# KiCad board mt-choc.kicad_pcb
title: Mt. Choc; rev: v1.0; company: Author: Sonal Pinto; note: License: MIT; note: 65% Low Profile Choc Keyboard
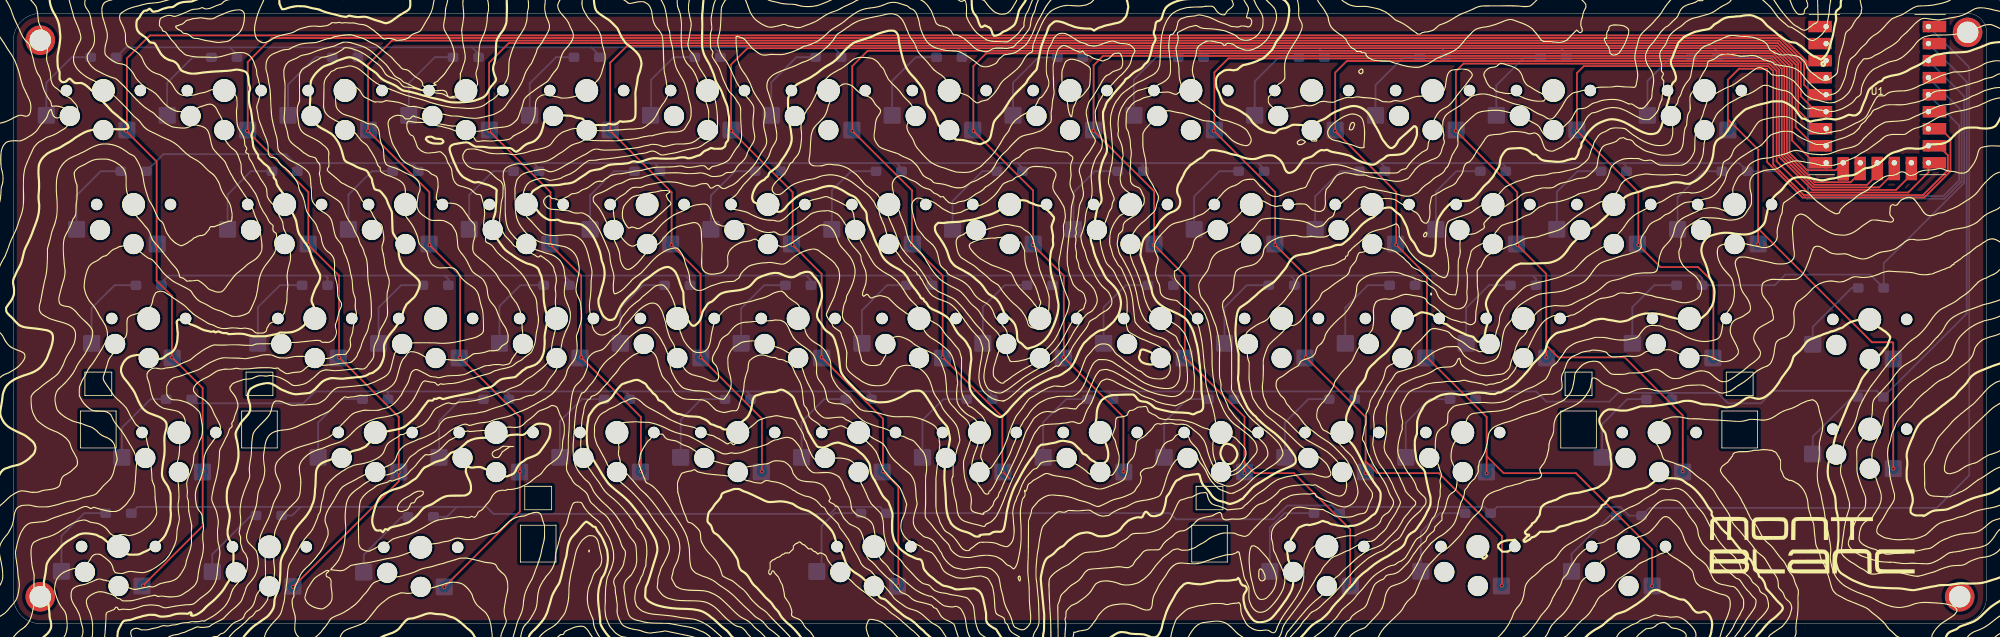
[diagram p0: board, top side]
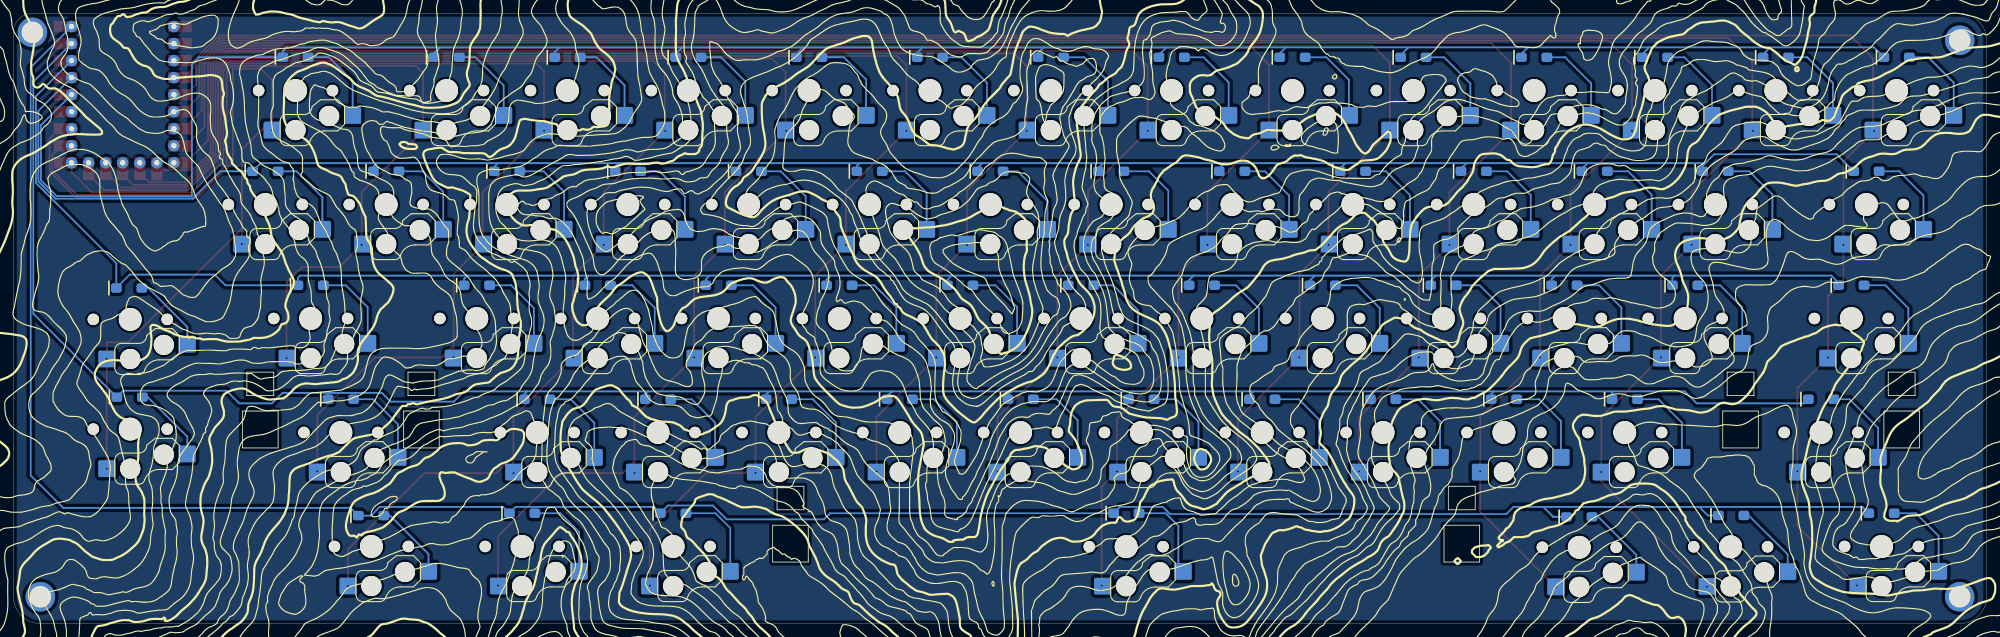
[diagram p1: board, bottom side, seen from below]

Outline 293.93 x 91 mm; copper layers: Front, Back. Coordinates in mm from the lower left corner of the outline.
Outline path: 291.1,91 4,91 arc(1.17,89.83) 0,87 0,4 arc(1.17,1.17) 4,0 289.92,0 ; 291.1,91 arc(293.1,90.17) 293.93,88.17 293.93,4 ; 293.92,4 arc(292.75,1.17) 289.92,0
Stack: Front 0.035mm / dielectric 1.51mm FR4 er 4.5 / Back 0.035mm

## Placement (name value [footprint] x y rotation side)
D1  D  [D_SOD123]  13.4 84.46 180 top
D2  D  [D_SOD123]  17.9 67.46 180 top
D3  D  [D_SOD123]  20.15 50.46 180 top
D4  D  [D_SOD123]  24.65 33.46 180 top
D5  D  [D_SOD123]  15.65 16.46 180 top
D6  D  [D_SOD123]  31.4 84.46 180 top
D7  D  [D_SOD123]  40.4 67.46 180 top
D8  D  [D_SOD123]  44.9 50.46 180 top
D9  D  [D_SOD123]  53.9 33.46 180 top
D10  D  [D_SOD123]  38.05 16.12 180 top
D11  D  [D_SOD123]  49.4 84.46 180 top
D12  D  [D_SOD123]  58.4 67.46 180 top
D13  D  [D_SOD123]  62.9 50.46 180 top
D14  D  [D_SOD123]  71.9 33.46 180 top
D15  D  [D_SOD123]  60.68 15.93 180 top
D16  D  [D_SOD123]  67.4 84.46 180 top
D17  D  [D_SOD123]  76.4 67.46 180 top
D18  D  [D_SOD123]  80.9 50.46 180 top
D19  D  [D_SOD123]  89.9 33.46 180 top
D20  D  [D_SOD123]  85.4 84.46 180 top
D21  D  [D_SOD123]  94.4 67.46 180 top
D22  D  [D_SOD123]  98.9 50.46 180 top
D23  D  [D_SOD123]  107.9 33.46 180 top
D25  D  [D_SOD123]  103.4 84.46 180 top
D26  D  [D_SOD123]  112.4 67.46 180 top
D27  D  [D_SOD123]  116.9 50.46 180 top
D28  D  [D_SOD123]  125.9 33.46 180 top
D29  D  [D_SOD123]  128.15 16.46 180 top
D31  D  [D_SOD123]  121.4 84.46 180 top
D32  D  [D_SOD123]  130.4 67.46 180 top
D33  D  [D_SOD123]  134.9 50.46 180 top
D34  D  [D_SOD123]  143.9 33.46 180 top
D35  D  [D_SOD123]  139.4 84.46 180 top
D36  D  [D_SOD123]  148.4 67.46 180 top
D37  D  [D_SOD123]  152.9 50.46 180 top
D38  D  [D_SOD123]  161.9 33.46 180 top
D39  D  [D_SOD123]  157.4 84.46 180 top
D40  D  [D_SOD123]  166.4 67.46 180 top
D41  D  [D_SOD123]  170.9 50.46 180 top
D42  D  [D_SOD123]  179.9 33.46 180 top
D43  D  [D_SOD123]  195.65 16.46 180 top
D44  D  [D_SOD123]  175.4 84.46 180 top
D45  D  [D_SOD123]  184.4 67.46 180 top
D46  D  [D_SOD123]  188.9 50.46 180 top
D47  D  [D_SOD123]  197.9 33.46 180 top
D48  D  [D_SOD123]  218.15 16.46 180 top
D49  D  [D_SOD123]  193.4 84.46 180 top
D50  D  [D_SOD123]  202.4 67.46 180 top
D51  D  [D_SOD123]  206.9 50.46 180 top
D52  D  [D_SOD123]  215.9 33.46 180 top
D53  D  [D_SOD123]  240.65 16.1 180 top
D54  D  [D_SOD123]  211.4 84.46 180 top
D55  D  [D_SOD123]  220.4 67.46 180 top
D56  D  [D_SOD123]  224.9 50.46 180 top
D57  D  [D_SOD123]  245.15 33.46 180 top
D59  D  [D_SOD123]  229.4 84.46 180 top
D60  D  [D_SOD123]  238.4 67.46 180 top
D61  D  [D_SOD123]  249.65 50.46 180 top
D64  D  [D_SOD123]  251.9 84.46 180 top
D65  D  [D_SOD123]  256.4 67.46 180 top
D66  D  [D_SOD123]  276.7 50.05 180 top
D67  D  [D_SOD123]  276.62 33.78 180 top
G***  LOGO  [mt-blanc]  148.78 56.97 0 top
G***#2  LOGO  [blanc]  267.95 9.3 0 top
G***#3  LOGO  [mt-blanc]  149.06 56.17 180 bottom
g```  LOGO  [mont]  264.87 14.2 0 top
H1  MountingHole  [m2_standoff]  4 87 0 top
H2  MountingHole  [m2_standoff]  4 4 0 top
H3  MountingHole  [m2_standoff]  289.92 4 0 top
H4  MountingHole  [m2_standoff]  291.1 88.17 0 top
SW1  SW_Push  [Choc-1u]  13.4 79.5 0 top
SW2  SW_Push  [Choc-1.5u]  17.9 62.5 0 top
SW3  SW_Push  [Choc-1.75u]  20.15 45.5 0 top
SW4  SW_Push  [Choc-2.25u]  24.65 28.5 0 top
SW5  SW_Push  [Choc-1.25u]  15.65 11.5 0 top
SW6  SW_Push  [Choc-1u]  31.4 79.5 0 top
SW7  SW_Push  [Choc-1u]  40.4 62.5 0 top
SW8  SW_Push  [Choc-1u]  44.9 45.5 0 top
SW9  SW_Push  [Choc-1u]  53.9 28.5 0 top
SW10  SW_Push  [Choc-1.25u]  38.12 11.45 0 top
SW11  SW_Push  [Choc-1u]  49.4 79.5 0 top
SW12  SW_Push  [Choc-1u]  58.4 62.5 0 top
SW13  SW_Push  [Choc-1u]  62.9 45.5 0 top
SW14  SW_Push  [Choc-1u]  71.9 28.5 0 top
SW15  SW_Push  [Choc-1.25u]  60.68 11.38 0 top
SW16  SW_Push  [Choc-1u]  67.4 79.5 0 top
SW17  SW_Push  [Choc-1u]  76.4 62.5 0 top
SW18  SW_Push  [Choc-1u]  80.9 45.5 0 top
SW19  SW_Push  [Choc-1u]  89.9 28.5 0 top
SW20  SW_Push  [Choc-1u]  85.4 79.5 0 top
SW21  SW_Push  [Choc-1u]  94.4 62.5 0 top
SW22  SW_Push  [Choc-1u]  98.9 45.5 0 top
SW23  SW_Push  [Choc-1u]  107.9 28.5 0 top
SW25  SW_Push  [Choc-1u]  103.4 79.5 0 top
SW26  SW_Push  [Choc-1u]  112.4 62.5 0 top
SW27  SW_Push  [Choc-1u]  116.9 45.5 0 top
SW28  SW_Push  [Choc-1u]  125.9 28.5 0 top
SW29  SW_Push  [Choc-1u]  121.4 79.5 0 top
SW30  SW_Push  [Choc-1u]  130.4 62.5 0 top
SW31  SW_Push  [Choc-1u]  134.9 45.5 0 top
SW32  SW_Push  [Choc-1u]  143.9 28.5 0 top
SW33  SW_Push  [Choc-1u]  139.4 79.5 0 top
SW34  SW_Push  [Choc-1u]  148.4 62.5 0 top
SW35  SW_Push  [Choc-1u]  152.9 45.5 0 top
SW36  SW_Push  [Choc-1u]  161.9 28.5 0 top
SW37  SW_Push  [Choc-1u]  157.4 79.5 0 top
SW38  SW_Push  [Choc-1u]  166.4 62.5 0 top
SW39  SW_Push  [Choc-1u]  170.9 45.5 0 top
SW40  SW_Push  [Choc-1u]  179.9 28.5 0 top
SW41  SW_Push  [Choc-1.25u]  195.65 11.5 0 top
SW42  SW_Push  [Choc-1u]  175.4 79.5 0 top
SW43  SW_Push  [Choc-1u]  184.4 62.5 0 top
SW44  SW_Push  [Choc-1u]  188.9 45.5 0 top
SW45  SW_Push  [Choc-1u]  197.9 28.5 0 top
SW46  SW_Push  [Choc-1.25u]  218.15 11.5 0 top
SW47  SW_Push  [Choc-1u]  193.4 79.5 0 top
SW48  SW_Push  [Choc-1u]  202.4 62.5 0 top
SW49  SW_Push  [Choc-1u]  206.9 45.5 0 top
SW50  SW_Push  [Choc-1u]  215.9 28.5 0 top
SW51  SW_Push  [Choc-1.25u]  240.6 11.5 0 top
SW52  SW_Push  [Choc-1u]  211.4 79.5 0 top
SW53  SW_Push  [Choc-1u]  220.4 62.5 0 top
SW54  SW_Push  [Choc-1u]  224.9 45.5 0 top
SW55  SW_Push  [Choc-2.25u]  245.15 28.5 0 top
SW57  SW_Push  [Choc-1u]  229.4 79.5 0 top
SW58  SW_Push  [Choc-1u]  238.4 62.5 0 top
SW59  SW_Push  [Choc-1.75u]  249.65 45.5 0 top
SW62  SW_Push  [Choc-1.5u]  251.9 79.5 0 top
SW63  SW_Push  [Choc-1u]  256.4 62.5 0 top
SW64  SW_Push  [Choc-1u]  276.52 45.36 0 top
SW65  SW_Push  [Choc-6.25u]  128.18 11.47 0 top
SW66  SW_Push  [Choc-1u]  276.52 29 0 top
U1  RP2040-Zero  [RP2040 Zero]  267.48 66.05 0 top

## Library data of the parts
D1-D23 D25-D29 D31-D57 D59-D61 D64-D67 = -: Sim.Pins: 1=K 2=A; ki_fp_filters: TO-???* *_Diode_* *SingleDiode* D_*
H1-H4 = -: ki_fp_filters: MountingHole*
SW65 = -: Description: Push button switch, generic, two pins; Sim.Library: ./

## Footprints (pads in the part's own frame, mm; a bottom-side part is the same pattern mirrored in y, then rotated)
Choc-1.5u
  round 1.7 hole 1.7 unplated: (-5.5,0) (5.5,0)
  round 3 hole 3 unplated: (-5,-3.8) (0,-5.9)
  round 3.4 hole 3.4 unplated: (0,0)
  rrect 2.55x2.5 smd far side: 1(-8.5,-3.7) 2(3.5,-5.9)
Choc-1.25u
  round 1.7 hole 1.7 unplated: (-5.5,0) (5.5,0)
  round 3 hole 3 unplated: (-5,-3.8) (0,-5.9)
  round 3.4 hole 3.4 unplated: (0,0)
  rrect 2.55x2.5 smd far side: 1(-8.5,-3.7) 2(3.5,-5.9)
Choc-1.75u
  round 1.7 hole 1.7 unplated: (-5.5,0) (5.5,0)
  round 3 hole 3 unplated: (-5,-3.8) (0,-5.9)
  round 3.4 hole 3.4 unplated: (0,0)
  rrect 2.55x2.5 smd far side: 1(-8.5,-3.7) 2(3.5,-5.9)
Choc-1u
  round 1.7 hole 1.7 unplated: (-5.5,0) (5.5,0)
  round 3 hole 3 unplated: (-5,-3.8) (0,-5.9)
  round 3.4 hole 3.4 unplated: (0,0)
  rrect 2.55x2.5 smd far side: 1(-8.5,-3.7) 2(3.5,-5.9)
Choc-2.25u
  round 1.7 hole 1.7 unplated: (-5.5,0) (5.5,0)
  round 3 hole 3 unplated: (-5,-3.8) (0,-5.9)
  round 3.4 hole 3.4 unplated: (0,0)
  rrect 2.55x2.5 smd far side: 1(-8.5,-3.7) 2(3.5,-5.9)
Choc-6.25u
  round 1.7 hole 1.7 unplated: (-5.5,0) (5.5,0)
  round 3 hole 3 unplated: (-5,-3.8) (0,-5.9)
  round 3.4 hole 3.4 unplated: (0,0)
  rrect 2.55x2.5 smd far side: 1(-8.5,-3.7) 2(3.5,-5.9)
D_SOD123
  rrect 1.6x1.4 smd far side: 1(-1.9,0) 2(1.9,0)
m2_standoff
  round 4.4 hole 3.2: 1(0,0)
RP2040 Zero
  rect 3.5x1.7 smd: 1(1.64,22.987) 2(1.64,20.447) 3(1.64,17.907) 4(1.64,15.367) 5(1.64,12.827) 6(1.69,10.287) 7(1.69,7.747) 8(1.69,5.207) 9(1.69,2.667) 10(18.68,22.987) 11(18.68,20.447) 12(18.68,17.907) 13(18.68,15.367) 14(18.68,12.827) 15(18.68,10.287) 16(18.68,7.747) 17(18.68,5.207) 18(18.68,2.667)
  round 1.7 hole 0.8: 1(2.54,22.987) 2(2.54,20.447) 3(2.54,17.907) 4(2.54,15.367) 5(2.54,12.827) 6(2.54,10.287) 7(2.54,7.747) 8(2.54,5.207) 9(2.54,2.667) 10(17.78,22.987) 11(17.78,20.447) 12(17.78,17.907) 13(17.78,15.367) 14(17.78,12.827) 15(17.78,10.287) 16(17.78,7.747) 17(17.78,5.207) 18(17.78,2.667) 19(5.08,2.667) 20(7.62,2.667) 21(10.16,2.667) 22(12.7,2.667) 23(15.24,2.667)
  rect 1.7x3.5 smd: 19(5.08,1.767) 20(7.62,1.817) 21(10.16,1.817) 22(12.7,1.817) 23(15.24,1.817)

## Nets
COL1: SW1.2 SW2.2 SW3.2 SW4.2 SW5.2 U1.4
COL2: SW6.2 SW7.2 SW8.2 SW9.2 SW10.2 U1.5
COL3: SW11.2 SW12.2 SW13.2 SW14.2 SW15.2 U1.6
COL4: SW16.2 SW17.2 SW18.2 SW19.2 U1.7
COL5: SW20.2 SW21.2 SW22.2 SW23.2 U1.8
COL6: SW25.2 SW26.2 SW27.2 SW28.2 SW65.2 U1.9
COL7: SW29.2 SW30.2 SW31.2 SW32.2 U1.19
COL8: SW33.2 SW34.2 SW35.2 SW36.2 U1.20
COL9: SW37.2 SW38.2 SW39.2 SW40.2 SW41.2 U1.21
COL10: SW42.2 SW43.2 SW44.2 SW45.2 SW46.2 U1.22
COL11: SW47.2 SW48.2 SW49.2 SW50.2 SW51.2 U1.23
COL12: SW52.2 SW53.2 SW54.2 SW55.2 U1.18
COL13: SW57.2 SW58.2 SW59.2 U1.17
COL14: SW62.2 SW63.2 SW64.2 SW66.2 U1.16
ROW1: D1.1 D6.1 D11.1 D16.1 D20.1 D25.1 D31.1 D35.1 D39.1 D44.1 D49.1 D54.1 D59.1 D64.1 U1.14
ROW2: D2.1 D7.1 D12.1 D17.1 D21.1 D26.1 D32.1 D36.1 D40.1 D45.1 D50.1 D55.1 D60.1 D65.1 U1.13
ROW3: D3.1 D8.1 D13.1 D18.1 D22.1 D27.1 D33.1 D37.1 D41.1 D46.1 D51.1 D56.1 D61.1 D66.1 U1.12
ROW4: D4.1 D9.1 D14.1 D19.1 D23.1 D28.1 D34.1 D38.1 D42.1 D47.1 D52.1 D57.1 D67.1 U1.11
ROW5: D5.1 D10.1 D15.1 D29.1 D43.1 D48.1 D53.1 U1.10
Net-(D1-A): D1.2 SW1.1
Net-(D2-A): D2.2 SW2.1
Net-(D3-A): D3.2 SW3.1
Net-(D4-A): D4.2 SW4.1
Net-(D5-A): D5.2 SW5.1
Net-(D6-A): D6.2 SW6.1
Net-(D7-A): D7.2 SW7.1
Net-(D8-A): D8.2 SW8.1
Net-(D9-A): D9.2 SW9.1
Net-(D10-A): D10.2 SW10.1
Net-(D11-A): D11.2 SW11.1
Net-(D12-A): D12.2 SW12.1
Net-(D13-A): D13.2 SW13.1
Net-(D14-A): D14.2 SW14.1
Net-(D15-A): D15.2 SW15.1
Net-(D16-A): D16.2 SW16.1
Net-(D17-A): D17.2 SW17.1
Net-(D18-A): D18.2 SW18.1
Net-(D19-A): D19.2 SW19.1
Net-(D20-A): D20.2 SW20.1
Net-(D21-A): D21.2 SW21.1
Net-(D22-A): D22.2 SW22.1
Net-(D23-A): D23.2 SW23.1
Net-(D25-A): D25.2 SW25.1
Net-(D26-A): D26.2 SW26.1
Net-(D27-A): D27.2 SW27.1
Net-(D28-A): D28.2 SW28.1
Net-(D29-A): D29.2 SW65.1
Net-(D31-A): D31.2 SW29.1
Net-(D32-A): D32.2 SW30.1
Net-(D33-A): D33.2 SW31.1
Net-(D34-A): D34.2 SW32.1
Net-(D35-A): D35.2 SW33.1
Net-(D36-A): D36.2 SW34.1
Net-(D37-A): D37.2 SW35.1
Net-(D38-A): D38.2 SW36.1
Net-(D39-A): D39.2 SW37.1
Net-(D40-A): D40.2 SW38.1
Net-(D41-A): D41.2 SW39.1
Net-(D42-A): D42.2 SW40.1
Net-(D43-A): D43.2 SW41.1
Net-(D44-A): D44.2 SW42.1
Net-(D45-A): D45.2 SW43.1
Net-(D46-A): D46.2 SW44.1
Net-(D47-A): D47.2 SW45.1
Net-(D48-A): D48.2 SW46.1
Net-(D49-A): D49.2 SW47.1
Net-(D50-A): D50.2 SW48.1
Net-(D51-A): D51.2 SW49.1
Net-(D52-A): D52.2 SW50.1
Net-(D53-A): D53.2 SW51.1
Net-(D54-A): D54.2 SW52.1
Net-(D55-A): D55.2 SW53.1
Net-(D56-A): D56.2 SW54.1
Net-(D57-A): D57.2 SW55.1
Net-(D59-A): D59.2 SW57.1
Net-(D60-A): D60.2 SW58.1
Net-(D61-A): D61.2 SW59.1
Net-(D64-A): D64.2 SW62.1
Net-(D65-A): D65.2 SW63.1
Net-(D66-A): D66.2 SW64.1
Net-(D67-A): D67.2 SW66.1

Pads without a net: H1 1; H2 1; H3 1; H4 1; U1 1 2 3 15

## Via types
v1: diameter 0.6, hole 0.3, Front to Back, 62 vias

## Routing (per net, layer and track width the routed paths; a pad name or vN(x,y) marks a point on that pad's centre or on a via; arc(x,y) is an arc through that point)
COL1: length 344.7
  Front w0.254: SW1.2 16.9,84.3 20.31,87.71 263.3,87.71 267.12,83.89 267.12,82.86 268.56,81.42 U1.4 ; v1(19.3,5.67) 28.19,14.56 v1(28.19,22.69) 28.19,35.13 v1(23.62,39.71) 23.62,48.85 21.33,51.14 v1(21.33,56.47) 21.33,68.92 v1(16.76,73.49)
COL2: length 336.1
  Front w0.254: SW6.2 34.9,83.76 38.48,87.33 263.14,87.33 266.74,83.73 266.74,80.37 268.22,78.88 U1.5 ; v1(41.65,5.47) 57.4,21.22 57.4,22.6 v1(57.4,22.6) 57.4,26.11 57.4,26.12 57.4,30.82 v1(48.51,39.71) 48.51,51.9 v1(43.94,56.47) 43.94,64.34 v1(34.79,73.49)
COL3: length 318.3
  Front w0.254: 75.43,23.05 75.43,30.82 v1(66.54,39.71) 66.54,51.9 v1(61.97,56.47) 61.97,64.34 v1(52.83,73.49) 52.83,83.39 56.38,86.95 262.98,86.95 266.25,83.68 266.25,78.65 268.56,76.34 U1.6 ; 75.43,23.05 v1(75.43,22.69) ; 75.43,23.05 75.43,16.71 v1(64.18,5.45)
COL4: length 280.1
  Front w0.254: v1(93.47,22.69) 93.47,30.82 v1(84.58,39.71) 84.58,51.9 v1(80,56.47) 80,64.34 v1(70.86,73.49) 70.86,83.65 73.78,86.57 262.82,86.57 265.87,83.52 265.87,76.54 268.61,73.8 U1.7
COL5: length 264.1
  Front w0.254: v1(111.5,22.69) 111.5,30.56 v1(102.36,39.71) 102.36,52.15 v1(98.04,56.47) 98.04,64.34 v1(88.89,73.49) 88.89,83.65 91.43,86.19 262.66,86.19 265.49,83.36 265.49,74.05 268.27,71.26 U1.8
COL6: length 265.7
  Front w0.254: SW25.2 106.9,83.37 109.34,85.81 262.51,85.81 264.95,83.36 264.95,72.05 268.27,68.72 U1.9 ; v1(106.93,73.49) 116.07,64.34 v1(116.07,56.47) 120.39,52.15 v1(120.39,39.71) 129.53,30.56 v1(129.53,22.69) 131.82,20.4 v1(131.82,5.67)
COL7: length 235.1
  Front w0.254: U1.19 271.46,67.62 267.17,67.62 264.57,70.22 264.57,83.21 262.35,85.43 127.25,85.43 124.96,83.14 v1(124.96,73.49) 133.85,64.6 v1(133.85,56.47) 138.42,51.9 v1(138.42,39.71) 147.31,30.82 v1(147.31,22.69) 148.33,21.67
COL8: length 220.2
  Front w0.254: U1.20 275.1,67.25 273.67,65.82 268.43,65.82 264.19,70.06 264.19,83.05 262.19,85.05 144.9,85.05 143,83.14 v1(143,73.49) 151.89,64.6 v1(151.89,56.47) 156.46,51.9 v1(156.46,39.71) 165.35,30.82 v1(165.35,22.69)
COL9: length 233.5
  Front w0.254: v1(199.13,5.67) 199.13,14.05 190.75,22.43 184.91,22.43 183.38,23.96 ; 183.38,23.96 183.38,30.82 v1(174.49,39.71) 174.49,51.9 v1(169.92,56.47) 169.92,64.47 v1(160.9,73.49) ; 183.38,23.96 v1(183.38,22.43) ; U1.21 277.64,66.97 276.11,65.44 268.27,65.44 263.81,69.9 263.81,82.89 262.03,84.66 162.3,84.66 160.9,83.26 SW37.2
COL10: length 221.4
  Front w0.254: v1(201.42,22.43) 201.42,24.21 ; 201.42,24.21 203.19,22.43 212.34,22.43 221.74,13.04 v1(221.74,5.67) ; 201.42,24.21 201.42,30.82 v1(192.53,39.71) 192.53,51.9 v1(187.95,56.47) 187.95,64.34 v1(178.81,73.49) ; U1.22 280.19,67.3 277.94,65.05 268.12,65.05 263.43,69.75 263.43,82.73 261.88,84.28 180.97,84.28 178.9,82.21 SW42.2
COL11: length 209.7
  Front w0.254: v1(196.84,73.49) 205.99,64.34 v1(205.99,56.47) 210.56,51.9 v1(210.56,39.71) 219.45,30.82 219.45,24.97 ; v1(244.1,5.6) 244.1,11.08 232.74,22.43 221.99,22.43 219.45,24.97 ; SW47.2 196.9,82.18 198.62,83.9 261.72,83.9 263.04,82.57 263.04,69.59 267.96,64.67 280.43,64.67 282.72,66.97 U1.23 ; 219.45,24.97 v1(219.45,22.43)
COL12: length 170.7
  Front w0.254: 228.34,41.48 228.34,52.15 v1(224.02,56.47) 224.02,64.34 v1(214.88,73.49) 214.88,82.38 216.02,83.52 261.56,83.52 262.65,82.43 262.65,68.95 267.31,64.29 282.25,64.29 285.26,67.3 U1.18 ; 228.34,41.48 230.12,39.71 240.02,39.71 248.66,31.07 v1(248.66,22.69) ; 228.34,41.48 v1(228.34,39.71)
COL13: length 133.3
  Front w0.254: U1.17 286.73,71.26 288.17,69.82 288.17,67.62 284.46,63.91 266.69,63.91 262.15,68.45 262.15,82.39 261.4,83.14 233.93,83.14 232.91,82.12 v1(232.91,73.49) 242.06,64.34 v1(242.06,56.47) 245.36,53.17 250.95,53.17 253.23,50.88 v1(253.23,39.58)
COL14: length 136
  Front w0.254: 255.39,75.2 259.96,70.63 259.9,70.56 259.9,58.95 ; 255.39,75.2 255.39,81.1 257.05,82.76 261.24,82.76 261.24,68.82 266.53,63.53 284.62,63.53 288.55,67.46 288.55,72.32 287.06,73.8 U1.16 ; 255.39,75.2 v1(255.39,73.61) ; 280.02,41.03 v1(280.02,39.47) ; 280.02,41.03 280.02,41.83 ; 280.02,41.03 v1(280.02,23.1) ; 259.9,58.95 259.9,58.91 276.86,41.95 279.9,41.95 280.02,41.83 ; 259.9,58.95 v1(259.9,56.6) ; 280.02,41.83 280.02,41.9
ROW1: length 334.5
  Back w0.254: 104.39,85.93 105.3,85.02 D25.1 ; 104.39,85.93 86.1,85.93 ; 104.39,85.93 122.17,85.93 ; 194.3,85.93 212.59,85.93 ; 194.3,85.93 195.3,84.94 D49.1 ; 194.3,85.93 176.27,85.93 ; 212.59,85.93 230.37,85.93 ; 212.59,85.93 213.3,85.23 D54.1 ; D16.1 69.3,84.95 68.32,85.93 ; 230.37,85.93 231.3,85.01 D59.1 ; 230.37,85.93 253.23,85.93 253.8,85.37 D64.1 266.27,84.46 267.35,83.37 267.35,63.75 287.47,63.75 289.82,66.1 289.82,74.32 U1.14 ; 50.29,85.93 51.3,84.92 D11.1 ; 50.29,85.93 32.25,85.93 ; 50.29,85.93 68.32,85.93 ; D6.1 33.3,84.89 32.25,85.93 ; 32.25,85.93 16.78,85.93 D1.1 ; 68.32,85.93 86.1,85.93 ; 86.1,85.93 87.3,84.73 D20.1 ; D39.1 159.3,85.12 158.49,85.93 ; 158.49,85.93 176.27,85.93 ; 158.49,85.93 140.46,85.93 ; 176.27,85.93 177.3,84.9 D44.1 ; 122.17,85.93 123.3,84.8 D31.1 ; 122.17,85.93 140.46,85.93 ; 140.46,85.93 141.3,85.09 D35.1
ROW2: length 310.6
  Back w0.254: D32.1 132.3,67.93 131.57,68.66 ; D36.1 150.3,67.96 149.6,68.66 ; D7.1 42.3,68.27 41.9,68.66 ; 167.89,68.66 168.3,68.25 D40.1 ; 167.89,68.66 185.41,68.66 ; 167.89,68.66 149.6,68.66 ; 77.46,68.66 78.3,67.83 D17.1 ; 77.46,68.66 95.5,68.66 ; 77.46,68.66 59.43,68.66 ; D26.1 114.3,67.89 113.53,68.66 ; 59.43,68.66 60.3,67.79 D12.1 ; 59.43,68.66 41.9,68.66 ; 239.77,68.66 240.3,68.13 D60.1 ; 239.77,68.66 257.1,68.66 D65.1 263.1,67.46 267.19,63.37 287.63,63.37 290.21,65.94 290.21,76.48 U1.13 ; 239.77,68.66 221.74,68.66 ; 95.5,68.66 96.3,67.86 D21.1 ; 95.5,68.66 113.53,68.66 ; 131.57,68.66 113.53,68.66 ; 131.57,68.66 149.6,68.66 ; 185.41,68.66 203.7,68.66 ; 185.41,68.66 186.3,67.78 D45.1 ; 221.74,68.66 222.3,68.1 D55.1 ; 221.74,68.66 203.7,68.66 ; 41.9,68.66 40.57,70 22.34,70 D2.1 ; 203.7,68.66 204.3,68.06 D50.1
ROW3: length 319.7
  Back w0.254: U1.12 290.59,78.64 290.59,65.74 278.6,53.75 D66.1 276.6,52.05 263.95,52.05 262.36,50.46 D61.1 251.55,51.55 251.2,51.9 226.31,51.9 ; D27.1 118.8,51.2 118.1,51.9 ; D41.1 172.8,51.3 172.21,51.9 ; 64.26,51.9 64.8,51.35 D13.1 ; 64.26,51.9 82.04,51.9 ; 64.26,51.9 46.48,51.9 ; D51.1 208.8,51.37 208.27,51.9 ; 82.04,51.9 82.8,51.13 D18.1 ; 82.04,51.9 100.07,51.9 ; 208.27,51.9 226.31,51.9 ; 208.27,51.9 190.24,51.9 ; 226.31,51.9 226.8,51.41 D56.1 ; 136.14,51.9 136.8,51.24 D33.1 ; 136.14,51.9 154.17,51.9 ; 136.14,51.9 118.1,51.9 ; 172.21,51.9 190.24,51.9 ; 172.21,51.9 154.17,51.9 ; D3.1 22.05,50.84 23.11,51.9 46.48,51.9 ; 100.07,51.9 118.1,51.9 ; 100.07,51.9 100.8,51.17 D22.1 ; 154.17,51.9 154.8,51.27 D37.1 ; 190.24,51.9 190.8,51.34 D46.1 ; 46.48,51.9 46.8,51.57 D8.1
ROW4: length 330.9
  Back w0.254: D34.1 145.8,34.11 145.28,34.63 ; 246.88,34.41 247.05,34.24 D57.1 ; 246.88,34.41 239.05,34.41 237.74,33.1 228.34,33.1 226.82,34.63 217.42,34.63 ; 246.88,34.41 253.85,34.41 255.42,32.85 260.3,32.85 262.18,34.73 277.57,34.73 D67.1 290.97,46.22 290.97,80.8 U1.11 ; 91.18,34.63 91.8,34.01 D19.1 ; 91.18,34.63 73.4,34.63 ; 91.18,34.63 109.21,34.63 ; D14.1 73.8,34.23 73.4,34.63 ; 109.21,34.63 109.8,34.04 D23.1 ; 109.21,34.63 127.25,34.63 ; 55.62,34.63 44.95,34.63 43.17,32.85 27.16,32.85 D4.1 ; 55.62,34.63 73.4,34.63 ; 55.62,34.63 55.8,34.45 D9.1 ; 199.38,34.63 217.42,34.63 ; 199.38,34.63 199.8,34.21 D47.1 ; 199.38,34.63 181.35,34.63 ; 217.42,34.63 217.8,34.24 D52.1 ; 163.06,34.63 163.8,33.89 D38.1 ; 163.06,34.63 181.35,34.63 ; 163.06,34.63 145.28,34.63 ; 127.25,34.63 127.8,34.07 D28.1 ; 127.25,34.63 145.28,34.63 ; 181.35,34.63 181.8,34.18 D42.1
ROW5: length 358.7
  Back w0.254: D5.1 18.5,17.41 42.82,17.41 ; 66.05,17.41 70.46,17.41 71.53,16.35 121.64,16.35 122.7,17.41 129.1,17.41 ; 66.05,17.41 42.82,17.41 ; 66.05,17.41 64.64,16.01 ; 129.1,17.41 129.2,17.3 ; 129.1,17.41 129.2,17.3 ; 129.2,17.3 D29.1 ; 64.64,16.01 64.59,15.95 ; 64.64,16.01 64.56,15.93 D15.1 ; 42.82,17.41 42.81,17.41 41.52,16.12 D10.1 ; D29.1 130.14,16.37 ; D29.1 172.27,16.46 173.18,15.55 187.67,15.55 189.73,17.61 196.4,17.61 D43.1 198.5,17.41 219.1,17.41 D48.1 221,17.41 239.35,17.41 240.66,16.1 D53.1 243.72,17.28 244.45,17.28 244.47,17.25 286.5,17.25 291.35,22.1 291.35,82.96 U1.10
Net-(D1-A): length 13
  Back w0.254: D1.2 8.68,84.46 4.9,80.68 SW1.1
Net-(D2-A): length 13.1
  Back w0.254: D2.2 13.01,67.46 9.4,63.84 SW2.1
Net-(D3-A): length 13.3
  Back w0.254: SW3.1 11.65,47.04 15.06,50.46 D3.2
Net-(D4-A): length 12.8
  Back w0.254: SW4.1 16.15,29.19 20.42,33.46 D4.2
Net-(D5-A): length 13.3
  Back w0.254: SW5.1 7.15,13.08 10.53,16.46 D5.2
Net-(D6-A): length 13
  Back w0.254: SW6.1 22.9,80.65 26.71,84.46 D6.2
Net-(D7-A): length 13.2
  Back w0.254: D7.2 35.37,67.46 31.9,63.99 SW7.1
Net-(D8-A): length 13.3
  Back w0.254: SW8.1 36.4,47.16 39.7,50.46 D8.2
Net-(D9-A): length 13.2
  Back w0.254: D9.2 48.86,33.46 45.4,29.99 SW9.1
Net-(D10-A): length 11.5
  Back w0.254: SW10.1 29.62,10.33 35.42,16.12 D10.2
Net-(D11-A): length 12.9
  Back w0.254: SW11.1 40.9,80.36 45,84.46 D11.2
Net-(D12-A): length 13.2
  Back w0.254: SW12.1 49.9,63.96 53.4,67.46 D12.2
Net-(D13-A): length 13.3
  Back w0.254: SW13.1 54.4,47.12 57.74,50.46 D13.2
Net-(D14-A): length 13.4
  Back w0.254: SW14.1 63.4,30.21 66.64,33.46 D14.2
Net-(D15-A): length 11.6
  Back w0.254: 58.54,16.46 58.62,16.38 ; SW15.1 52.18,10.25 57.85,15.93 D15.2
Net-(D16-A): length 13
  Back w0.254: SW16.1 58.9,80.58 62.78,84.46 D16.2
Net-(D17-A): length 13.2
  Back w0.254: SW17.1 67.9,63.92 71.43,67.46 D17.2
Net-(D18-A): length 13.4
  Back w0.254: SW18.1 72.4,47.34 75.52,50.46 D18.2
Net-(D19-A): length 13.3
  Back w0.254: D19.2 84.68,33.46 81.4,30.18 SW19.1
Net-(D20-A): length 13
  Back w0.254: SW20.1 76.9,80.54 80.81,84.46 D20.2
Net-(D21-A): length 13.2
  Back w0.254: SW21.1 85.9,63.89 89.47,67.46 D21.2
Net-(D22-A): length 13.3
  Back w0.254: SW22.1 90.4,47.05 93.8,50.46 D22.2
Net-(D23-A): length 13.5
  Back w0.254: D23.2 102.46,33.46 99.4,30.4 SW23.1
Net-(D25-A): length 13.2
  Back w0.254: D25.2 98.34,84.46 94.99,81.11 94.99,75.89 SW25.1
Net-(D26-A): length 13.1
  Back w0.254: D26.2 107.5,67.46 103.9,63.86 SW26.1
Net-(D27-A): length 13.2
  Back w0.254: SW27.1 108.4,47.02 111.84,50.46 D27.2
Net-(D28-A): length 13.3
  Back w0.254: SW28.1 117.4,30.11 120.75,33.46 D28.2
Net-(D29-A): length 13.7
  Back w0.254: 119.65,7.8 120.39,8.54 120.39,14.56 122.29,16.46 D29.2
Net-(D31-A): length 13.1
  Back w0.254: D31.2 116.63,84.46 112.9,80.73 SW29.1
Net-(D32-A): length 13.6
  Back w0.254: SW30.1 121.9,64.58 124.77,67.46 D32.2
Net-(D33-A): length 13.1
  Back w0.254: D33.2 130.13,50.46 126.4,46.73 SW31.1
Net-(D34-A): length 13.4
  Back w0.254: SW32.1 135.4,30.33 138.53,33.46 D34.2
Net-(D35-A): length 13.2
  Back w0.254: SW33.1 130.9,80.95 134.41,84.46 D35.2
Net-(D36-A): length 12.7
  Back w0.254: SW34.1 139.9,63.03 144.33,67.46 D36.2
Net-(D37-A): length 13.4
  Back w0.254: D37.2 147.65,50.46 144.4,47.21 SW35.1
Net-(D38-A): length 13.3
  Back w0.254: D38.2 156.81,33.46 153.4,30.04 SW36.1
Net-(D39-A): length 13
  Back w0.254: D39.2 152.7,84.46 148.9,80.66 SW37.1
Net-(D40-A): length 13.4
  Back w0.254: SW38.1 157.9,64.26 161.1,67.46 D40.2
Net-(D41-A): length 13.3
  Back w0.254: SW39.1 162.4,47.17 165.69,50.46 D41.2
Net-(D42-A): length 13.2
  Back w0.254: SW40.1 171.4,30.01 174.85,33.46 D42.2
Net-(D43-A): length 14
  Back w0.254: D43.2 189.34,16.46 187.15,14.26 SW41.1
Net-(D44-A): length 13.3
  Back w0.254: D44.2 170.22,84.46 166.9,81.14 SW42.1
Net-(D45-A): length 13.1
  Back w0.254: D45.2 179.64,67.46 175.9,63.72 SW43.1
Net-(D46-A): length 13.3
  Back w0.254: SW44.1 180.4,47.14 183.72,50.46 D46.2
Net-(D47-A): length 13.2
  Back w0.254: D47.2 192.88,33.46 189.4,29.98 SW45.1
Net-(D48-A): length 13.6
  Back w0.254: D48.2 212.46,16.46 209.65,13.65 SW46.1
Net-(D49-A): length 13.1
  Back w0.254: SW47.1 184.9,80.85 188.51,84.46 D49.2
Net-(D50-A): length 13
  Back w0.254: SW48.1 193.9,63.69 197.67,67.46 D50.2
Net-(D51-A): length 13.3
  Back w0.254: D51.2 201.75,50.46 198.4,47.1 SW49.1
Net-(D52-A): length 13.2
  Back w0.254: D52.2 210.92,33.46 207.4,29.94 SW50.1
Net-(D53-A): length 11.6
  Back w0.254: D53.2 237.82,16.1 232.1,10.38 SW51.1
Net-(D54-A): length 12.8
  Back w0.254: D54.2 207.05,84.46 202.9,80.31 SW52.1
Net-(D55-A): length 13.5
  Back w0.254: D55.2 214.94,67.46 211.9,64.41 SW53.1
Net-(D56-A): length 13.3
  Back w0.254: D56.2 219.79,50.46 216.4,47.07 SW54.1
Net-(D57-A): length 13.1
  Back w0.254: SW55.1 236.65,29.73 240.38,33.46 D57.2
Net-(D59-A): length 12.8
  Back w0.254: SW57.1 220.9,80.27 225.09,84.46 D59.2
Net-(D60-A): length 13.5
  Back w0.254: D60.2 232.98,67.46 229.9,64.38 SW58.1
Net-(D61-A): length 13.3
  Back w0.254: D61.2 244.43,50.46 241.15,47.18 SW59.1
Net-(D64-A): length 13.2
  Back w0.254: SW62.1 243.4,80.93 246.93,84.46 D64.2
Net-(D65-A): length 13
  Back w0.254: SW63.1 247.9,63.58 251.77,67.46 D65.2
Net-(D66-A): length 11.8
  Back w0.254: SW64.1 268.02,44.24 273.83,50.05 D66.2
Net-(D67-A): length 11.7
  Back w0.254: SW66.1 268.02,27.88 273.92,33.78 274.72,33.78

## Copper pours and planes (outline as drawn; the poured copper is in the pictures)
(no net) on Front, Back: 296.4,93.05 296.4,-2.97 -1.02,-2.97 -1.02,93.05
